# Altium PCB Giro_scope_2.0.PcbDoc (part 1 of 3) (continued)
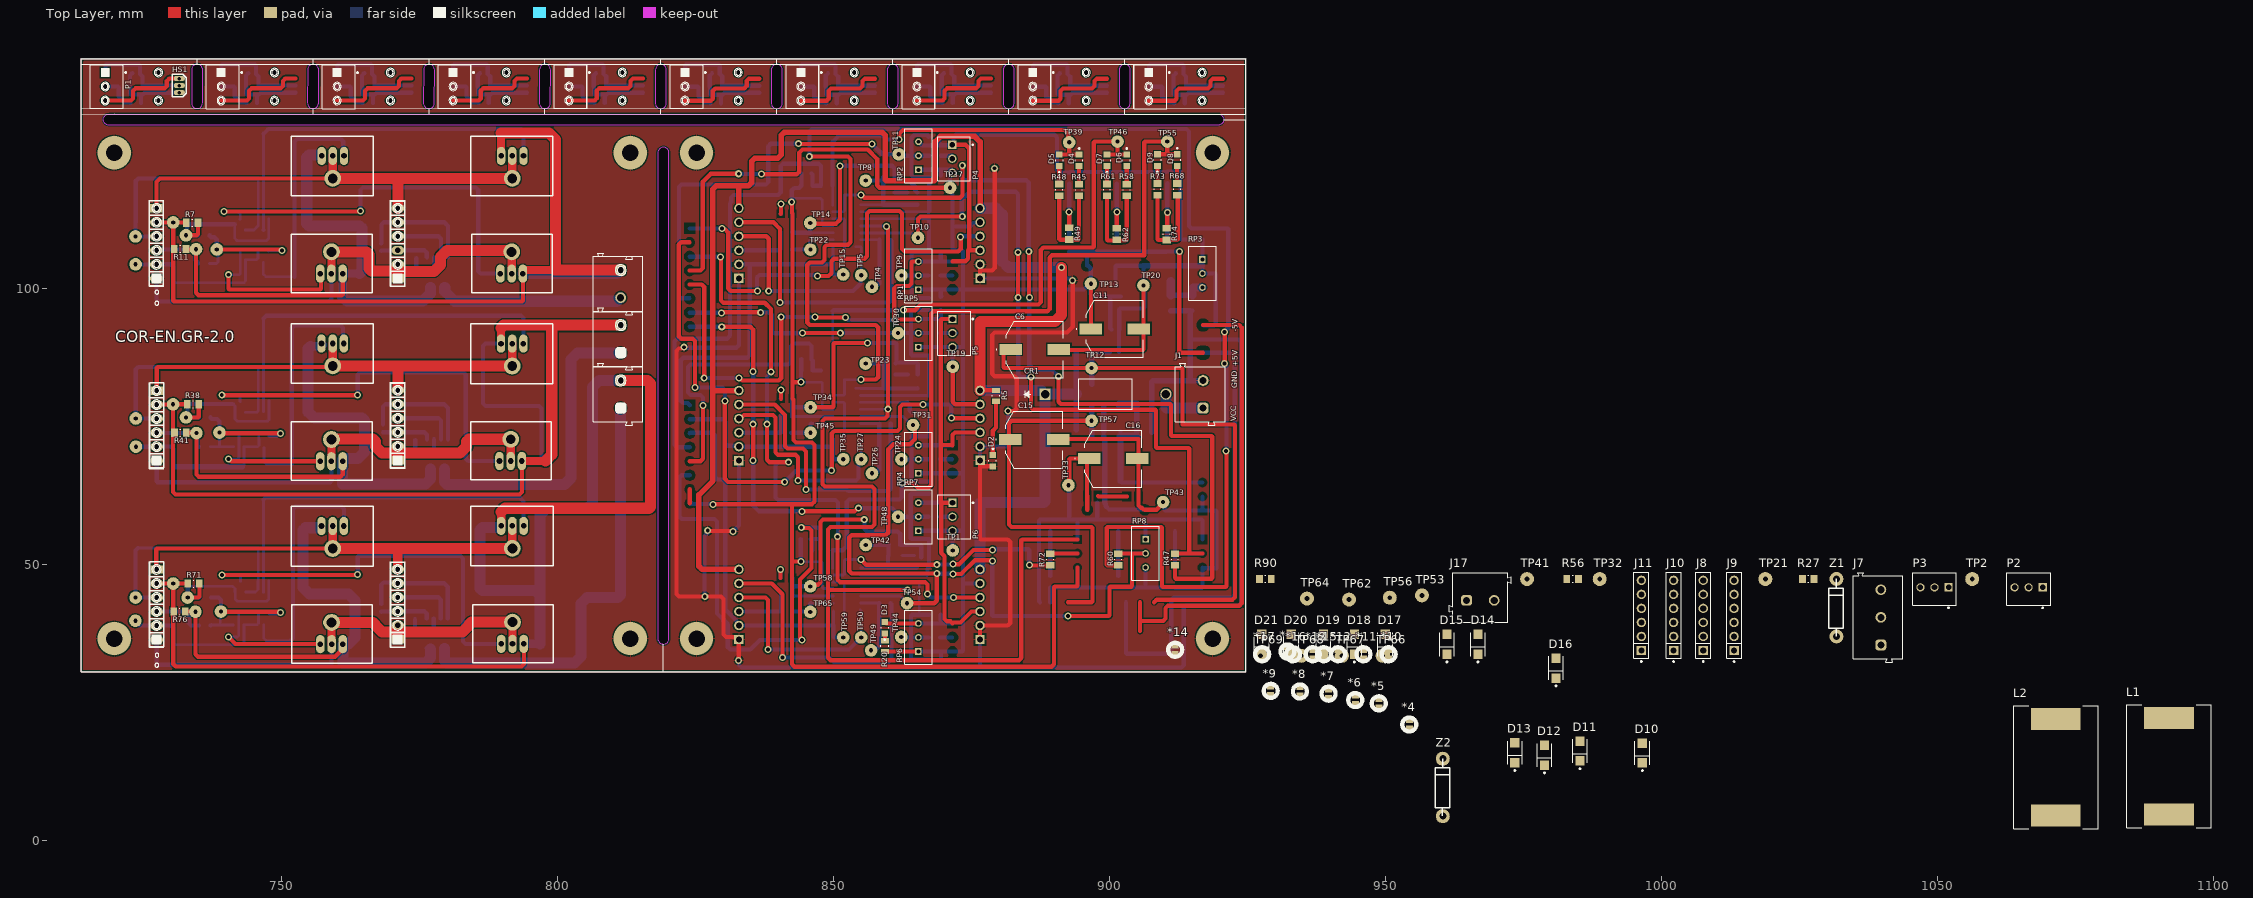
[diagram p0: Top Layer view]
## Components (designator, comment, footprint, x,y, rotation, side; value= is the part's Value field where it differs from the comment) (continued)
TP46 "Test_Point_PCB" Test_Point#1 901.446,126.568 r90 top
TP47 "Test_Point_PCB" Test_Point#1 723.621,43.993 r90 bottom
TP48 "Test_Point_PCB" Test_Point#1 861.695,58.623 r90 top
TP49 "Test_Point_PCB" Test_Point#1 856.818,34.442 r90 top
TP50 "Test_Point_PCB" Test_Point#1 855.015,36.779 r90 top
TP51 "Test_Point_PCB" Test_Point#1 730.428,46.533 r90 bottom
TP52 "Test_Point_PCB" Test_Point#1 733.044,43.993 r90 bottom
TP53 "Test_Point_PCB" Test_Point#2 956.564,44.399 r90 top
TP54 "Test_Point_PCB" Test_Point#1 863.321,42.977 r90 top
TP55 "Test_Point_PCB" Test_Point#1 910.463,126.568 r90 top
TP56 "Test_Point_PCB" Test_Point#2 950.747,43.967 r90 top
TP57 "Test_Point_PCB" Test_Point#1 896.747,76.022 r90 top
TP58 "Test_Point_PCB" Test_Point#1 845.795,46.025 r90 top
TP59 "Test_Point_PCB" Test_Point#1 851.764,36.779 r90 top
TP60 "Test_Point_PCB" Test_Point#1 734.441,41.427 r90 bottom
TP61 "Test_Point_PCB" Test_Point#1 723.57,39.802 r90 bottom
TP62 "Test_Point_PCB" Test_Point#2 943.381,43.637 r90 top
TP63 "Test_Point_PCB" Test_Point#1 739.064,41.453 r90 bottom
TP64 "Test_Point_PCB" Test_Point#2 935.761,43.815 r90 top
TP65 "Test_Point_PCB" Test_Point#1 845.795,41.402 r90 top
TP66 "Test_Point_PCB" Test_Point#2 949.452,33.452 r90 top
TP67 "Test_Point_PCB" Test_Point#2 942.086,33.452 r90 top
TP68 "Test_Point_PCB" Test_Point#2 934.72,33.452 r90 top
TP69 "Test_Point_PCB" Test_Point#2 927.329,33.452 r90 top
VT1 "D882" D882 791.711,121.564 r180 bottom
VT2 "PMBTA06" SOT-23_ONS-M 746.785,111.557 r0 bottom
VT3 "MMBT2907" SOT-23_ONS 742.531,111.531 r180 bottom
VT4 "B772" PCBComponent_1 791.718,102.667 r180 bottom
VT5 "D882" D882 759.199,121.564 r180 bottom
VT6 "PMBTA06" SOT-23_ONS-M 746.747,105.715 r0 bottom
VT7 "MMBT2907" SOT-23_ONS 742.556,105.714 r180 bottom
VT8 "B772" PCBComponent_1 759.079,102.667 r180 bottom
VT9 "D882" D882 791.693,87.579 r180 bottom
VT10 "PMBTA06" SOT-23_ONS-M 746.798,78.663 r0 bottom
VT11 "MMBT2907" SOT-23_ONS 742.556,78.537 r180 bottom
VT12 "B772" PCBComponent_1 791.54,68.732 r180 bottom
VT13 "D882" D882 759.181,87.605 r180 bottom
VT14 "PMBTA06" SOT-23_ONS-M 746.87,72.159 r0 bottom
VT15 "MMBT2907" SOT-23_ONS 742.307,72.313 r180 bottom
VT16 "B772" PCBComponent_1 759.079,68.682 r180 bottom
VT17 "D882" D882 791.718,54.559 r180 bottom
VT18 "PMBTA06" SOT-23_ONS-M 746.785,45.974 r0 bottom
VT19 "MMBT2907" SOT-23_ONS 742.594,45.974 r180 bottom
VT20 "B772" PCBComponent_1 791.87,35.611 r180 bottom
VT21 "D882" D882 759.181,54.534 r180 bottom
VT22 "PMBTA06" SOT-23_ONS-M 746.836,40.03 r0 bottom
VT23 "MMBT2907" SOT-23_ONS 742.307,40.055 r180 bottom
VT24 "B772" PCBComponent_1 759.104,35.56 r180 bottom
Z1 "Zenner Diode 5v1" BZX85C5V1(YJ) 1031.646,41.91 r90 top
Z2 "Zenner Diode 5v1" BZX85C5V1(YJ) 960.349,9.347 r90 top

## Footprints (in the part's own frame and the unit in brackets; to place one, negate y for a bottom-side part, rotate by r counter-clockwise, add the part's x,y. Pads: shape width x height; smd on the part's side, far side on the other; paste and mask are expansions set on the pad)
"2.54_Connector _x6" [mil]
  rect 60x90 hole 40: 1(10,-5)
  oval 60x90 hole 40: 2(110,-5) 3(210,-5) 4(310,-5) 5(410,-5) 6(510,-5)
  silkscreen extent -40,-55 560,45, body extent -40,-52 560,42, height 108
61900311121 [mm] "2.54mm Male Locking Header, 3p"
  rect 1.5x1.5 hole 1: 1(2.54,0.3)
  round 1.5 hole 1: 2(0,0.3) 3(-2.54,0.3)
  silkscreen extent -3.98,-3.52 3.98,2.98, body extent -3.81,-2.9 3.81,2.9, height 11.53
691101710002 [mm] "5,00mm - modular - blue - Horizontal entry with pressure clamp - 12,6mm height - 02p"
  rrect50% 1.95x1.95 hole 1.3: 1(-2.5,-0.5)
  round 1.95 hole 1.3: 2(2.5,-0.5)
  silkscreen extent -5.6,-4.5 5.6,4.5, body extent -5.6,-4.5 5.6,4.5, height 12.65
691101710003 [mm] "5,00mm - modular - blue - Horizontal entry with pressure clamp - 12,6mm height - 03p"
  rrect50% 1.95x1.95 hole 1.3: 1(-5,-0.5)
  round 1.95 hole 1.3: 2(0,-0.5) 3(5,-0.5)
  silkscreen extent -8.1,-4.5 8.1,4.5, body extent -8.1,-4.5 8.1,4.5, height 12.65
ACS712 [mm]
  rect 1.525x0.65 smd: 1(-2.839,1.651) 2(-2.839,0.381) 3(-2.839,-0.889) 4(-2.839,-2.159) 5(2.585,-2.159) 6(2.585,-0.889) 7(2.585,0.381) 8(2.585,1.651)
  silkscreen extent -3.6,-2.7 1.47,2.33, body extent -3.13,-2.7 2.87,2.2, height 1.83
Bourns_3296W_MFG [mm]
  rect 1.2x1.2 hole 0.7 paste-1000 mask+0: 1(0.005,-2.54)
  round 1.2 hole 0.7 paste-1000 mask+0: 2(0.005,0) 3(0.005,2.54)
  silkscreen extent -2.48,-4.89 2.48,4.89, body extent -2.58,-4.99 2.58,4.99, height 0.25
BZX85C5V1(YJ) [mil]
  round 100 hole 50: 1(215,0) 2(-195,0)
  silkscreen extent -192,-50 215,55, body extent -209,-50 229,54, height 132
D14-M [mm]
  rect 2.27x0.558 smd paste+0 mask+0: 1(-2.514,3.81) 2(-2.514,2.54) 3(-2.514,1.27) 4(-2.514,0) 5(-2.514,-1.27) 6(-2.514,-2.54) 7(-2.514,-3.81) 8(2.514,-3.81) 9(2.514,-2.54) 10(2.514,-1.27) 11(2.514,0) 12(2.514,1.27) 13(2.514,2.54) 14(2.514,3.81)
  silkscreen extent -2.12,-4.5 4.16,4.5, body extent -3.1,-4.37 3.1,4.37, height 1.76
D882 [mil]
  oval 60x130 hole 40: 1(75,95) 2(-5,95) 3(-85,95)
  round 120 hole 70: 2(-5,-65)
  silkscreen extent -295,-190 290,235, body extent -300,-195 290,235, height 984
DO-201AD_STM [mil]
  rect 81x81 hole 61 mask+0: 1(0,0)
  round 81 hole 61 mask+0: 2(862,0)
  silkscreen extent -151,-110 623,110, body extent -26,-105 887,105, height 209
EEEFK1V331P [mm]
  rect 2x4.1 smd: 1(0,-4.35) 2(0,4.35)
  silkscreen extent -5.15,-7 5.15,5.15, body extent -5.15,-5.85 5.15,5.85, height 10.3
JE [mil]
  rect 50x40 smd: 1(468,28) 2(468,-30)
  silkscreen extent 418,-52 518,48
KEMET_C0805C-DN_IPC_A [mm]
  rect 1.505x1.556 smd paste+0 mask+0: 1(-0.901,0) 2(0.901,0)
  silkscreen extent -1.65,-1.18 1.65,1.18, body extent -1,-0.63 1,0.63, height 0.88
KEMET_C0805C-DN_IPC_C [mm]
  rect 1.105x1.356 smd paste+0 mask+0: 1(-0.701,0) 2(0.701,0)
  silkscreen extent -1.25,-1.12 1.25,1.12, body extent -1,-0.63 1,0.63, height 0.88
LED_BLUE [mm]
  rect 1.1x1.2 smd paste+0 mask+0: 1(-1.05,0) 2(1.05,0)
  silkscreen extent -2.27,-0.67 0.13,0.67, body extent -1,-0.63 1,0.63, height 0.8
ONSC-SOD-323-2-477-02_V [mm] "SOD, 2-Leads, Body 1.7x1.25mm"
  rect 0.63x0.83 smd: 1(-1.115,0) 2(1.115,0)
  silkscreen extent -1.24,-0.67 0.4,1.09, body extent -0.85,-0.63 0.85,0.63, height 1.06
PCBComponent_1 [mil]
  oval 60x130 hole 40: 1(80,0) 2(0,0) 3(-80,0)
  round 120 hole 70: 2(0,155)
  silkscreen extent -290,-135 290,285, body extent -295,-140 295,290, height 984
RC1210N_PAN [mm]
  rect 1.1x2.5 smd paste+0 mask+0: 1(-1.4,0) 2(1.4,0)
  silkscreen extent -0.54,-1.38 0.54,1.38, body extent -1.6,-1.25 1.6,1.25, height 0.71
SOT-23_ONS [mil]
  rect 22.36x55.56 smd paste+0 mask+0: 1(-37.5,-38) 2(37.5,-38) 3(0,38)
  silkscreen extent -115,-57 65,33, body extent -60,-52 60,52, height 44
SOT-23_ONS-M [mil]
  rect 23.94x67.37 smd paste+0 mask+0: 1(-37.5,-39.97) 2(37.5,-39.97) 3(0,39.97)
  silkscreen extent -115,-57 65,32, body extent -60,-52 60,52, height 44
SS495E_Hall_Sensor [mil]
  oval 35x80 hole 25: 1(-50,20) 2(0,20) 3(50,20)
  silkscreen extent -80,-30 80,70, body extent -80,-25 80,36, height 380
Test_Point#1 [mil]
  round 90 hole 30 unplated paste+4 mask+4: 1(0,0)
Test_Point#2 [mil]
  round 100 / inner round 90 / far side round 90 hole 35 unplated paste+4 mask+4: 1(0,0)
Vishay_CRCW0805-e3_IPC_A [mil]
  rect 47.5x59.38 smd paste+0 mask+0: 1(-41.37,0) 2(41.37,0)
  silkscreen extent -3,-25 3,25, body extent -39,-25 39,25, height 20
Vishay_CRCW0805-e3_IPC_B [mm]
  rect 1.007x1.408 smd paste+0 mask+0: 1(-0.951,0) 2(0.951,0)
  silkscreen extent -0.07,-0.63 0.07,0.63, body extent -1,-0.63 1,0.63, height 0.5
Vishay_CRCW0805-e3_MFG [mm]
  rect 0.95x1.45 smd paste+0 mask+0: 1(-0.975,0) 2(0.975,0)
  silkscreen extent -0.13,-0.7 0.13,0.7, body extent -1.55,-0.82 1.55,0.82, height 0.25
Vishay_SS16-E3-61T_0 [mm]
  rect 1.7x1.68 smd paste+0 mask+0: 1(-1.79,0) 2(1.79,0)
  silkscreen extent -3.32,-1.33 2.12,1.33, body extent -2.74,-1.4 2.74,1.4, height 2.41
WE-PD4-XL [mm] "SMD Inductor, 2-Leads, Body 22.0 x 15.0 mm"
  rect 4x9 smd: 1(-8.75,0) 2(8.75,0)
  silkscreen extent -11.15,-7.65 11.15,7.65, body extent -11,-7.5 11,7.5, height 6.99
Wurth_61300611121_0 [mm]
  rect 1.7x1.7 hole 1.1 paste-1000 mask+0: 1(-6.35,0)
  round 1.7 hole 1.1 paste-1000 mask+0: 2(-3.81,0) 3(-1.27,0) 4(1.27,0) 5(3.81,0) 6(6.35,0)
  silkscreen extent -8.49,-1.35 7.77,1.35, body extent -7.62,-1.27 7.62,1.27, height 9.05
Wurth_Electronics_0_MFG [mm]
  rect 1.1x1.2 smd paste+0 mask+0: 1(-1.05,0) 2(1.05,0)
  silkscreen extent -2.27,-0.67 0.13,0.67, body extent -1.7,-0.77 1.7,0.77, height 0.25

## Part data
C1 C2 C3 C4 C5 C7 C8 C9 C10 C12 C13 C14 C17 C18 C19: library part C0805C104J4RACTU
C6 C11 C15 C16: "Capacitor Polarised", Manufacturer_Name=Panasonic, Datasheet Link=http://industrial.panasonic.com/cdbs/www-data/pdf/RDE0000/ABA0000C1142.pdf, Manufacturer_Part_Number=EEE1HA101AP
CR1: "No Description Available", Mfr_Name=STMicroelectronics, Copyright="Copyright (C) 2022 Ultra Librarian. All rights reserved.", Manufacturer_Part_Number=1N5822RL, RefDes=RefDes, Type=DEV
D1: "Zener Voltage Regulator, 300 mW, Tight Tolerance Portfolio, 2-Pin SOD-323, Pb-Free, Tape and Reel", Manufacturer="On Semiconductor", ComponentLink1Description="Manufacturer URL", ComponentLink1URL=http://www.onsemi.com/, ComponentLink2Description=Datasheet, ComponentLink2URL=http://www.onsemi.cn/pub_link/Collateral/MM3Z2V4ST1-D.PDF, ComponentLink3Description="Package Specification", ComponentLink3URL=http://www.onsemi.com/pub_link/Collateral/477-02.PDF.1, DatasheetVersion="Rev. 21", Mounting Technology="Surface Mount", P Max (W)=0.3, PackageDescription="2-Pin SOD, Body 1.7 x 1.25 mm", PackageReference=SOD-323-2-477-02, PackageVersion="Rev. H, 03/2007", Packing="Tape and Reel", PartNumber=SZMM3Z5V1ST1G, RoHS=Pb-Free
D2 D3 D4 D5 D6 D7 D8 D9: "Typical RED, GREEN, YELLOW, AMBER GaAs LED", LatestRevisionDate=17-Jul-2002, LatestRevisionNote="Re-released for DXP Platform.", PackageDescription="SM LED; 2 Flat Leads", PackageReference=3.2X1.6X1.1, PackageVersion=Feb-2002, Published=8-Jun-2000, Publisher="Altium Limited"
D10 D11 D12 D13 D14 D15 D16 D17 D18 D19 D20 D21: "Diode Schottky 60V 1A Surface Mount DO-214AC (SMA)", Current - Average Rectified (Io)=1A, Current - Reverse Leakage @ Vr="200µA @ 60V", Digikey Part Number=SS16-E3/61TGICT-ND, Manufacturer=Vishay, Mouser Part Number=625-SS16-E3, Package=DO-214AC, Part Number=SS16-E3/61T, Temperature="-65°C to +150°C", Temperature Range High=+150°C, Temperature Range Low=-65°C, Voltage - DC Reverse (Vr) (Max)=60V, Voltage - Forward (Vf) (Max) @ If="750mV @ 1A", ComponentLink1Description=Upverter, ComponentLink1URL=https://upverter.com/upn/revision/46fb9ccadf7e3052/, ComponentLink2Description=Datasheet, ComponentLink2URL=http://www.vishay.com/docs/88746/ss12.pdf, Digikey Description="Diode Schottky 60V 1A Surface Mount DO-214AC (SMA)", helpURL=https://upverter.com/upn/revision/46fb9ccadf7e3052/, Lead Free=yes, Price=0.180579591464, RoHS=TRUE, Supplier 1=Digi-Key, Supplier 2=Mouser, Supplier Part Number 1=SS16-E3/61TGICT-ND, Supplier Part Number 2=625-SS16-E3
IC1 IC2 IC3: "Integrated Circuit", Manufacturer_Name="Allegro Microsystems", Mouser Part Number=250-712ELCTR20AT, Arrow Part Number=ACS712ELCTR-20A-T, Arrow Price/Stock=https://www.arrow.com/en/products/acs712elctr-20a-t/allegro-microsystems, Datasheet Link=https://datasheet.datasheetarchive.com/originals/distributors/SFDatasheet-0/sf-000553.pdf, Height=1.75mm, Manufacturer_Part_Number=ACS712ELCTR-20A-T, Mouser Price/Stock=https://www.mouser.co.uk/ProductDetail/Allegro-MicroSystems/ACS712ELCTR-20A-T?qs=pUKx8fyJudBUdhIPMFjOBQ%3D%3D
J1: library part 691101710002, "WR-TBL Series 101 Horizontal Entry Modular, Through Hole, pitch 5mm, 2p", Manufacturer="Wurth Elektronik", Operating Temperature Max=105°C, Operating Temperature Min=-40°C, Rated Current=16A, Working Voltage=250V, Application="Pressure Clamp", Category="Terminal Blocks", ComponentLink1Description="Manufacturer Link", ComponentLink1URL=https://www.we-online.com/redexpert/article/691101710002?ad, ComponentLink2Description=Datasheet, ComponentLink2URL=https://www.we-online.com/redexpert/spec/691101710002?ad, Manufacturer Part Number=691101710002, Match Code=WR-TBL, Modularity=Yes, Mount="Through Hole", Orientation=Horizontal, Packaging=Box, PCB/Cable/Panel=PCB, Pin Number=2, Pitch=5mm
J3 J14 J17 J20: "WR-TBL Series 101 Horizontal Entry Modular, Through Hole, pitch 5mm, 2p", Manufacturer="Wurth Elektronik", Operating Temperature Max=105°C, Operating Temperature Min=-40°C, Rated Current=16A, Working Voltage=250V, Application="Pressure Clamp", Category="Terminal Blocks", ComponentLink1Description="Manufacturer Link", ComponentLink1URL=https://www.we-online.com/redexpert/article/691101710002?ad, ComponentLink2Description=Datasheet, ComponentLink2URL=https://www.we-online.com/redexpert/spec/691101710002?ad, Manufacturer Part Number=691101710002, Match Code=WR-TBL, Modularity=Yes, Mount="Through Hole", Orientation=Horizontal, Packaging=Box, PCB/Cable/Panel=PCB, Pin Number=2, Pitch=5mm
J7: "WR-TBL Series 101 Horizontal Entry Modular, Through Hole, pitch 5mm, 3p", Manufacturer="Wurth Elektronik", Operating Temperature Max=105°C, Operating Temperature Min=-40°C, Rated Current=16A, Working Voltage=250V, Application="Pressure Clamp", Category="Terminal Blocks", ComponentLink1Description="Manufacturer Link", ComponentLink1URL=https://www.we-online.com/redexpert/article/691101710003?ad, ComponentLink2Description=Datasheet, ComponentLink2URL=https://www.we-online.com/redexpert/spec/691101710003?ad, Manufacturer Part Number=691101710003, Match Code=WR-TBL, Modularity=Yes, Mount="Through Hole", Orientation=Horizontal, Packaging=Box, PCB/Cable/Panel=PCB, Pin Number=3, Pitch=5mm
L1 L2: "SMD-Power Inductor WE-PD4, L = 100 µH", Inductance="100 ÂµH", ComponentLink1Description="Manufacturer Link", ComponentLink1URL=http://www.we-online.com, ComponentLink2Description=Datasheet, ComponentLink2URL=http://www.we-online.de/katalog/media/pdf/7445720.pdf, DatasheetVersion="ver 1, Oct-2004", PackageDescription="SMD Inductor, 2-Leads, Body 22.0 x 15.0 mm", PackageReference=WE-PD4-XL, PackageVersion=2004, PartNumber=7445720
P1 P2 P3 P4 P5 P6: "WR-WTB THT Male Vertical Locking Header, pitch 2.54mm, 3p", Contact Resistance=20mOhm, Operating Temperature="-40 to +105degC", Rated Current=3A, Withstanding Voltage=1000VAC, Working Voltage=250VAC, ComponentLink1Description=Manufacturer, ComponentLink1URL=http://www.we-online.de, ComponentLink2Description=Datasheet, ComponentLink2URL=https://www.we-online.com/catalog/datasheet/61900311121.pdf, Gender=Male, Mounting Technology=THT, Packaging=Bag, Part Number=61900311121, Pin Number=3, Pitch=2.54mm, Published Date="January 2020", Publisher="Wurth Elektronik", Type=Vertical
R1 R2 R3 R4 R5 R6 R7 R8 R9 R10 R11 R12 R13 R14 R15 R16 R17 R18 R19 R20 R21 R22 R23 R24 R25 R26 R27 R28 R29 R30 R31 R32 R33 R34 R35 R36 R37 R38 R39 R40 R41 R42 R43 R44 R45 R46 R47 R48 R49 R50 R51 R52 R53 R54 R55 R56 R57 R58 R59 R60 R61 R62 R63 R64 R65 R66 R67 R68 R69 R70 R71 R72 R73 R74 R75 R76 R77 R78 R79 R80 R81 R82 R83 R84 R85 R86 R87 R88 R89 R90 R91: library part CRCW08050000Z0EA
RP1 RP2 RP3 RP4 RP5 RP6 RP7 RP8: library part 3296W-1-202LF
TP1 TP2 TP3 TP4 TP5 TP6 TP7 TP8 TP9 TP10 TP11 TP12 TP13 TP14 TP15 TP16 TP17 TP18 TP19 TP20 TP21 TP22 TP23 TP24 TP25 TP26 TP27 TP28 TP29 TP30 TP31 TP32 TP33 TP34 TP35 TP36 TP37 TP38 TP39 TP40 TP41 TP42 TP43 TP44 TP45 TP46 TP47 TP48 TP49 TP50 TP51 TP52 TP53 TP54 TP55 TP56 TP57 TP58 TP59 TP60 TP61 TP62 TP63 TP64 TP65 TP66 TP67 TP68 TP69: library part TP_PCB?, "Test_Point"
VT3 VT7 VT11 VT15 VT19 VT23: library part MMBT2907ALT1G, "No Description Available", Mfr_Name=onsemi, Copyright="Copyright (C) 2022 Ultra Librarian. All rights reserved.", Manufacturer_Part_Number=MMBT2907ALT1G, RefDes=RefDes, Type=DEV
Z1 Z2: library part BZX85C5V1(YJ)

## Free pads (board coordinates)
  round 0.127 on Top Overlay: 1(713.744,89.636) 1(713.744,89.636) 1(713.745,89.643) 1(713.745,89.643)
  round 0.1 on Top Overlay: 1(715.428,132.569) 1(715.428,132.569) 1(715.428,132.569) 1(715.428,132.569) 1(715.428,140.529) 1(715.428,140.529) 1(715.428,140.529) 1(715.428,140.529) 1(721.378,140.529) 1(721.378,140.529) 1(721.378,140.529) 1(721.378,140.529) 1(726.065,34.978) 1(726.065,34.978) 1(726.065,37.668) 1(726.065,50.518) 1(726.065,50.518) 1(726.065,70.053) 1(726.065,82.903) 1(726.065,82.903) 1(726.065,100.383) 1(726.065,100.383) 1(726.065,103.073) 1(726.065,115.923) 1(726.065,115.923) 1(726.066,34.985) 1(726.066,34.985) 1(726.066,37.675) 1(726.066,50.525) 1(726.066,50.525) 1(726.066,70.06) 1(726.066,82.91) 1(726.066,82.91) 1(726.066,100.39) 1(726.066,100.39) 1(726.066,103.08) 1(726.066,115.93) 1(726.066,115.93) 1(728.755,34.978) 1(728.755,34.978) 1(728.755,37.668) 1(728.755,50.518) 1(728.755,50.518) 1(728.755,67.363) 1(728.755,67.363) 1(728.755,70.053) 1(728.755,82.903) 1(728.755,82.903) 1(728.755,100.383) 1(728.755,100.383) 1(728.755,103.073) 1(728.755,115.923) 1(728.755,115.923) 1(728.756,34.985) 1(728.756,34.985) 1(728.756,37.675) 1(728.756,50.525) 1(728.756,50.525) 1(728.756,67.37) 1(728.756,67.37) 1(728.756,70.06) 1(728.756,82.91) 1(728.756,82.91) 1(728.756,100.39) 1(728.756,100.39) 1(728.756,103.08) 1(728.756,115.93) 1(728.756,115.93) 1(736.428,132.568) 1(736.428,132.568) 1(736.428,132.568) 1(736.428,132.568) 1(736.428,140.528) 1(736.428,140.528) 1(736.428,140.528) 1(736.428,140.528) 1(742.378,140.528) 1(742.378,140.528) 1(742.378,140.528) 1(742.378,140.528) 1(757.428,132.566) 1(757.428,132.566) 1(757.428,132.566) 1(757.428,132.566) 1(757.428,140.526) 1(757.428,140.526) 1(757.428,140.526) 1(757.428,140.526) 1(763.378,140.526) 1(763.378,140.526) 1(763.378,140.526) 1(763.378,140.526) 1(769.293,40.759) 1(769.293,40.759) 1(769.294,40.766) 1(769.294,40.766) 1(769.727,50.518) 1(769.727,50.518) 1(769.728,50.525) 1(769.728,50.525) 1(769.753,82.954) 1(769.753,82.954) 1(769.753,115.923) 1(769.753,115.923) 1(769.754,82.96) 1(769.754,82.96) 1(769.754,115.93) 1(769.754,115.93) 1(772.417,34.978) 1(772.417,34.978) 1(772.417,37.668) 1(772.417,50.518) 1(772.417,50.518) 1(772.418,34.985) 1(772.418,34.985) 1(772.418,37.675) 1(772.418,50.525) 1(772.418,50.525) 1(772.443,67.414) 1(772.443,67.414) 1(772.443,70.104) 1(772.443,82.954) 1(772.443,82.954) 1(772.443,100.383) 1(772.443,100.383) 1(772.443,103.073) 1(772.443,115.923) 1(772.443,115.923) 1(772.444,67.42) 1(772.444,67.42) 1(772.444,70.11) 1(772.444,82.96) 1(772.444,82.96) 1(772.444,100.39) 1(772.444,100.39) 1(772.444,103.08) 1(772.444,115.93) 1(772.444,115.93) 1(778.428,132.569) 1(778.428,132.569) 1(778.428,132.569) 1(778.428,132.569) 1(778.428,140.529) 1(778.428,140.529) 1(778.428,140.529) 1(778.428,140.529) 1(784.378,140.529) 1(784.378,140.529) 1(784.378,140.529) 1(784.378,140.529) 1(799.428,132.569) 1(799.428,132.569) 1(799.428,132.569) 1(799.428,132.569) 1(799.428,140.529) 1(799.428,140.529) 1(799.428,140.529) 1(799.428,140.529) 1(804.378,140.529) 1(804.378,140.529) 1(804.378,140.529) 1(804.378,140.529) 1(806.484,75.808) 1(806.484,75.808) 1(806.484,85.808) 1(806.484,85.808) 1(806.484,85.841) 1(806.484,85.841) 1(806.484,95.791) 1(806.484,95.791) 1(806.484,95.841) 1(806.484,95.841) 1(806.484,105.791) 1(806.484,105.791) 1(806.484,105.824) 1(806.484,105.824) 1(806.485,75.815) 1(806.485,75.815) 1(806.485,85.815) 1(806.485,85.815) 1(806.485,85.848) 1(806.485,85.848) 1(806.485,95.798) 1(806.485,95.798) 1(806.485,95.848) 1(806.485,95.848) 1(806.485,105.798) 1(806.485,105.798) 1(806.485,105.831) 1(806.485,105.831) 1(807.184,86.408) 1(807.184,86.408) 1(807.184,96.441) 1(807.184,96.441) 1(807.184,106.391) 1(807.184,106.391) 1(807.185,86.415) 1(807.185,86.415) 1(807.185,96.448) 1(807.185,96.448) 1(807.185,106.398) 1(807.185,106.398) 1(807.434,85.808) 1(807.434,85.808) 1(807.434,95.841) 1(807.434,95.841) 1(807.434,105.791) 1(807.434,105.791) 1(807.435,85.815) 1(807.435,85.815) 1(807.435,95.848) 1(807.435,95.848) 1(807.435,105.798) 1(807.435,105.798) 1(808.134,85.808) 1(808.134,95.841) 1(808.134,105.791) 1(808.134,85.808) 1(808.134,95.841) 1(808.134,105.791) 1(808.135,85.815) 1(808.135,95.848) 1(808.135,105.798) 1(808.135,85.815) 1(808.135,95.848) 1(808.135,105.798) 1(808.384,86.408) 1(808.384,86.408) 1(808.384,96.441) 1(808.384,96.441) 1(808.384,106.391) 1(808.384,106.391) 1(808.385,86.415) 1(808.385,86.415) 1(808.385,96.448) 1(808.385,96.448) 1(808.385,106.398) 1(808.385,106.398) 1(812.384,75.208) 1(812.384,75.208) 1(812.384,85.241) 1(812.384,85.241) 1(812.384,95.191) 1(812.384,95.191) 1(812.384,105.224) 1(812.384,105.224) 1(812.385,75.215) 1(812.385,75.215) 1(812.385,85.248) 1(812.385,85.248) 1(812.385,95.198) 1(812.385,95.198) 1(812.385,105.231) 1(812.385,105.231) 1(812.633,75.808) 1(812.633,75.808) 1(812.633,85.841) 1(812.633,85.841) 1(812.633,95.791) 1(812.633,95.791) 1(812.633,105.824) 1(812.633,105.824) 1(812.634,75.815) 1(812.634,75.815) 1(812.634,85.848) 1(812.634,85.848) 1(812.634,95.798) 1(812.634,95.798) 1(812.634,105.831) 1(812.634,105.831) 1(813.334,75.808) 1(813.334,85.841) 1(813.334,95.791) 1(813.334,105.824) 1(813.334,75.808) 1(813.334,85.841) 1(813.334,95.791) 1(813.334,105.824) 1(813.335,75.815) 1(813.335,85.848) 1(813.335,95.798) 1(813.335,105.831) 1(813.335,75.815) 1(813.335,85.848) 1(813.335,95.798) 1(813.335,105.831) 1(813.584,75.208) 1(813.584,75.208) 1(813.584,85.241) 1(813.584,85.241) 1(813.584,95.191) 1(813.584,95.191) 1(813.584,105.224) 1(813.584,105.224) 1(813.585,75.215) 1(813.585,75.215) 1(813.585,85.248) 1(813.585,85.248) 1(813.585,95.198) 1(813.585,95.198) 1(813.585,105.231) 1(813.585,105.231) 1(815.484,85.808) 1(815.484,95.841) 1(815.484,105.791) 1(815.484,75.808) 1(815.484,75.808) 1(815.484,85.808) 1(815.484,85.841) 1(815.484,85.841) 1(815.484,95.791) 1(815.484,95.791) 1(815.484,95.841) 1(815.484,105.791) 1(815.484,105.824) 1(815.484,105.824) 1(815.485,85.815) 1(815.485,95.848) 1(815.485,105.798) 1(815.485,75.815) 1(815.485,75.815) 1(815.485,85.815) 1(815.485,85.848) 1(815.485,85.848) 1(815.485,95.798) 1(815.485,95.798) 1(815.485,95.848) 1(815.485,105.798) 1(815.485,105.831) 1(815.485,105.831) 1(820.428,132.569) 1(820.428,132.569) 1(820.428,132.569) 1(820.428,132.569) 1(820.428,140.529) 1(820.428,140.529) 1(820.428,140.529) 1(820.428,140.529) 1(826.378,140.529) 1(826.378,140.529) 1(826.378,140.529) 1(826.378,140.529) 1(841.428,132.569) 1(841.428,132.569) 1(841.428,132.569) 1(841.428,132.569) 1(841.428,140.529) 1(841.428,140.529) 1(841.428,140.529) 1(841.428,140.529) 1(847.378,140.529) 1(847.378,140.529) 1(847.378,140.529) 1(847.378,140.529) 1(862.428,132.561) 1(862.428,132.561) 1(862.428,132.561) 1(862.428,132.561) 1(862.428,140.521) 1(862.428,140.521) 1(862.428,140.521) 1(862.428,140.521) 1(868.378,140.521) 1(868.378,140.521) 1(868.378,140.521) 1(868.378,140.521) 1(883.428,132.559) 1(883.428,132.559) 1(883.428,132.559) 1(883.428,132.559) 1(883.428,140.519) 1(883.428,140.519) 1(883.428,140.519) 1(883.428,140.519) 1(889.378,140.519) 1(889.378,140.519) 1(889.378,140.519) 1(889.378,140.519) 1(904.428,132.557) 1(904.428,132.557) 1(904.428,132.557) 1(904.428,132.557) 1(904.428,140.517) 1(904.428,140.517) 1(904.428,140.517) 1(904.428,140.517) 1(910.378,140.517) 1(910.378,140.517) 1(910.378,140.517) 1(910.378,140.517)
  round 0.125 on Top Overlay: 1(721.678,139.089) 1(721.678,139.089) 1(721.928,139.089) 1(721.928,139.089) 1(727.285,34.378) 1(727.285,99.783) 1(727.286,34.385) 1(727.286,99.79) 1(727.535,34.378) 1(727.535,99.783) 1(727.536,34.385) 1(727.536,99.79) 1(729.326,116.256) 1(729.327,116.263) 1(729.576,116.256) 1(729.577,116.263) 1(742.678,139.088) 1(742.678,139.088) 1(742.928,139.088) 1(742.928,139.088) 1(763.678,139.086) 1(763.678,139.086) 1(763.928,139.086) 1(763.928,139.086) 1(770.947,34.378) 1(770.948,34.385) 1(770.973,66.814) 1(770.974,66.82) 1(771.197,34.378) 1(771.198,34.385) 1(771.223,66.814) 1(771.224,66.82) 1(784.678,139.089) 1(784.678,139.089) 1(784.928,139.089) 1(784.928,139.089) 1(805.678,139.089) 1(805.678,139.089) 1(805.928,139.089) 1(805.928,139.089) 1(826.678,139.089) 1(826.678,139.089) 1(826.928,139.089) 1(826.928,139.089) 1(847.678,139.089) 1(847.678,139.089) 1(847.928,139.089) 1(847.928,139.089) 1(868.678,139.081) 1(868.678,139.081) 1(868.928,139.081) 1(868.928,139.081) 1(889.678,139.079) 1(889.678,139.079) 1(889.928,139.079) 1(889.928,139.079) 1(910.678,139.077) 1(910.678,139.077) 1(910.928,139.077) 1(910.928,139.077)
  round 0.25 on Top Overlay: 1(727.41,34.378) 1(727.41,99.783) 1(727.411,34.385) 1(727.411,99.79) 1(729.451,116.256) 1(729.452,116.263) 1(771.072,34.378) 1(771.073,34.385) 1(771.098,66.814) 1(771.099,66.82)
  round 0.006 on Mech1: 1(786.878,130.543) 1(801.657,130.543) 1(801.657,130.543) 1(801.665,130.556) 1(819.198,130.543) 1(819.198,130.543) 1(819.206,130.556) 1(819.206,130.556) 1(819.207,130.563) 1(819.207,130.563) 1(819.215,130.575) 1(819.215,130.575) 1(840.85,54.928) 1(840.85,54.928) 1(844.85,60.928) 1(848.85,60.928) 1(924.657,130.543) 1(924.657,130.543) 1(924.665,130.556) 1(924.666,130.563) 1(924.666,130.563) 1(924.674,130.575) 1(924.676,131.569) 1(924.676,131.569) 1(924.676,131.569) 1(924.676,131.569) 1(924.684,131.582) 1(924.684,131.582)
  round 0.006 hole 0.006: 1(786.886,130.556) 1(801.665,130.556) 1(801.665,130.556) 1(801.673,130.569) 1(819.206,130.556) 1(819.206,130.556) 1(819.214,130.569) 1(819.214,130.569) 1(924.665,130.556) 1(924.665,130.556) 1(924.673,130.569)
  round 0.006 on Top Overlay: 1(786.887,130.563) 1(786.887,130.563) 1(786.898,131.569) 1(786.898,131.569) 1(786.898,131.569) 1(786.898,131.569) 1(801.666,130.563) 1(801.666,130.563) 1(801.666,130.563) 1(801.666,130.563) 1(801.674,130.575) 1(801.674,130.575) 1(802.676,131.569) 1(802.676,131.569) 1(802.676,131.569) 1(802.676,131.569) 1(802.676,131.569) 1(802.676,131.569) 1(802.676,131.569) 1(802.676,131.569) 1(802.684,131.582) 1(802.684,131.582) 1(802.684,131.582) 1(802.684,131.582) 1(819.207,130.563) 1(819.207,130.563) 1(819.215,130.575) 1(819.215,130.575) 1(924.666,130.563) 1(924.666,130.563) 1(924.674,130.575) 1(924.676,131.569) 1(924.676,131.569) 1(924.676,131.569) 1(924.676,131.569) 1(924.684,131.582) 1(924.684,131.582)
  round 4 on Mech1: 1(846.85,60.928)

## Via types
v1: diameter 1.27, hole 0.711, Top Layer to Bottom Layer, tented both sides, 106 vias
v2: diameter 1.5, hole 1.5, Top Layer to Bottom Layer, 20 vias
v3: diameter 6, hole 3, Top Layer to Bottom Layer, 8 vias
v4: diameter 1.27, hole 0.711, Top Layer to Bottom Layer, 4 vias